# Altium PCB PCB_v2.PcbDoc (part 8 of 8)
Units mil, origin at the board's own origin, x right, y up, seen from the top; angles counter-clockwise.
Board outline 17000 x 5250 mil, 4 copper layers (Top Side, Ground Layer, Power Layer, Bottom Side), stack 33.2 mil thick; 671 components, 580 nets, 2819 pads, 990 vias.
Unrouted connection lines stored in the file: 104.
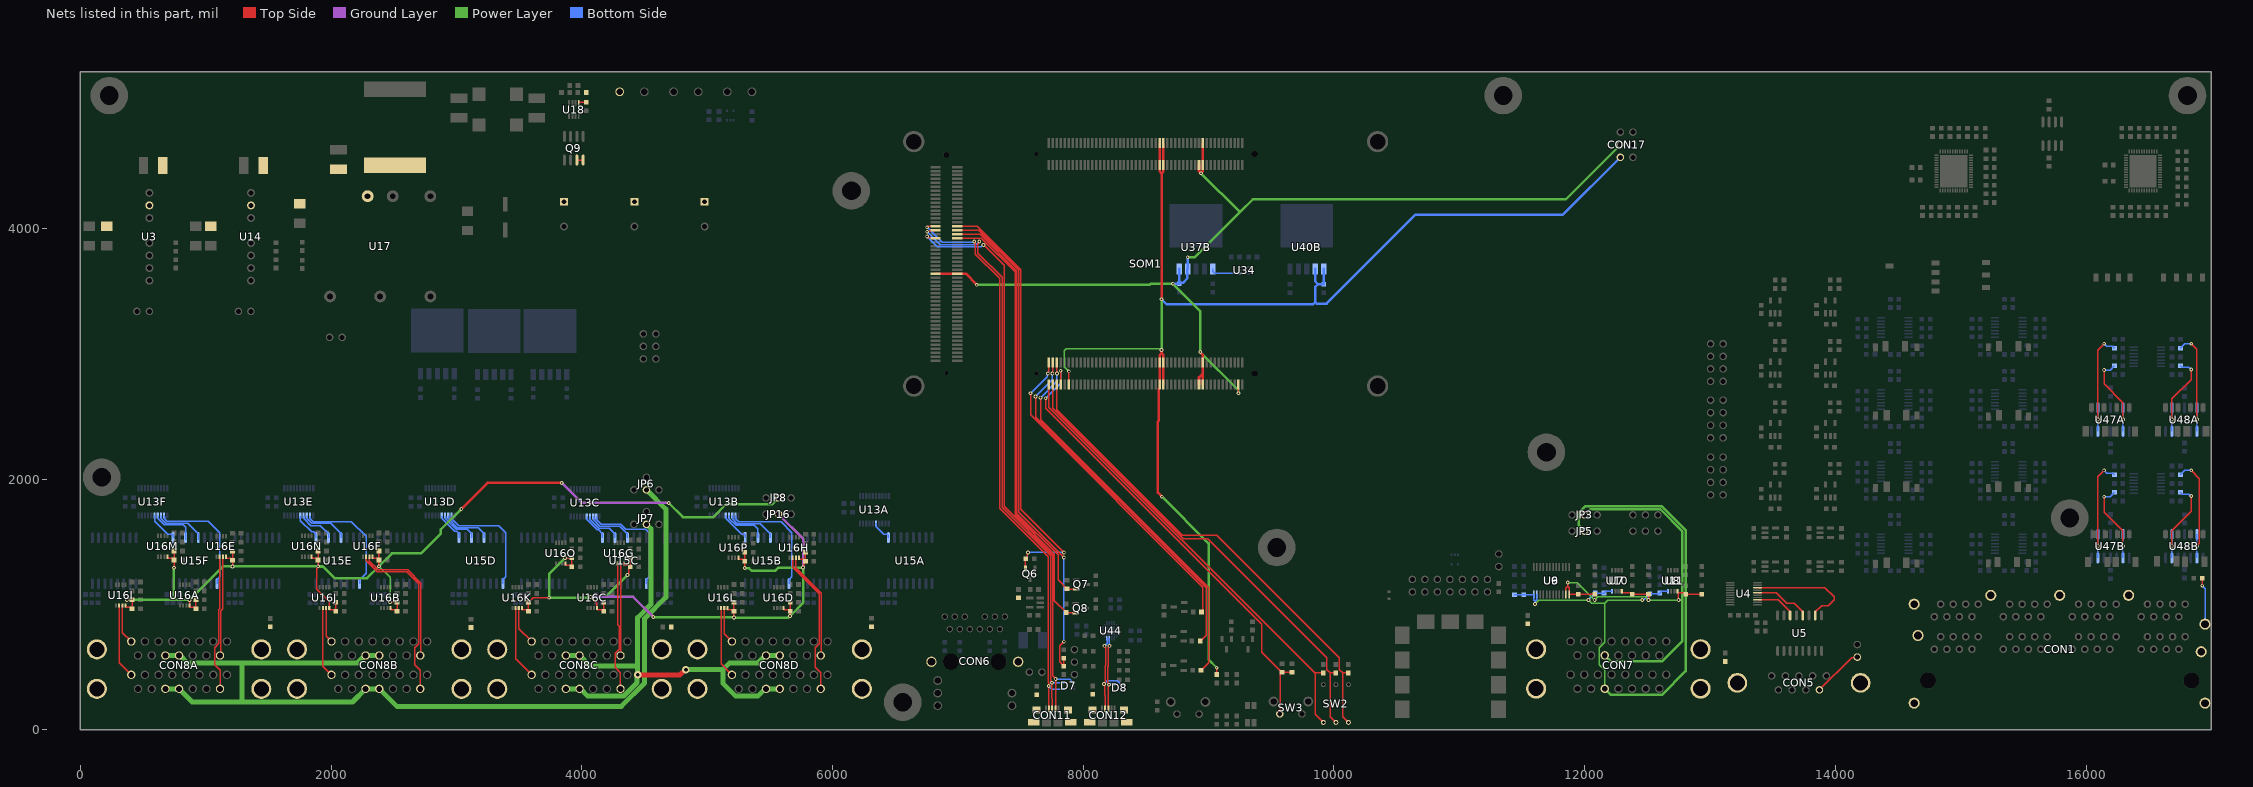
[diagram p10: the nets of this part, all layers, seen from the top]

## Via types
v1: diameter 30, hole 15, Top Side to Bottom Side, 922 vias
v2: diameter 25, hole 15, Top Side to Bottom Side, 30 vias
v3: diameter 60, hole 30, Top Side to Bottom Side, 29 vias
v4: diameter 50, hole 28, Top Side to Bottom Side, 7 vias
v5: diameter 40, hole 20, Top Side to Bottom Side, 2 vias

## Nets (pads, with @x,y where several pads share a name; then routed paths per layer and width w, separated by ;. In a path a pad name is that pad's centre, name@x,y a point inside that pad or via, vN(x,y) a via of type N, cw(c..) or ccw(c..) an arc to the next point about the centre after c; other vN are vias at no path point) (continued)
NetU13A_15: U13A.15 U15A.1 | length 170.6
  Bottom Side w10: U13A.15@6346.2,1646.5 6350.05,1642.64 6350.05,1620.12 6410.05,1560.12 6438.69,1560.12 6444.98,1553.83 U15A.1@6444.98,1533.62
NetU13B_12: U13B.12 U15B.9 | length 935
  Bottom Side w10: U13B.12@5224.75,1708.35 5228.61,1704.49 5228.61,1683.22 5251.24,1660.58 5588.83,1660.58 5675.26,1574.15 5675.26,1220 5653.45,1198.19 U15B.9@5653.45,1166.69
NetU13B_13: U13B.13 U15B.5 | length 407.6
  Bottom Side w10: U13B.13@5199.16,1708.35 5203.02,1704.49 5203.02,1683.22 5240.65,1645.58 5422.98,1645.58 5503.45,1565.12 U15B.5@5503.45,1533.62
NetU13B_14: U13B.14 U15B.3 | length 356
  Bottom Side w10: U13B.14@5173.57,1708.35 5177.42,1704.49 5177.42,1683.22 5230.06,1630.58 5377,1630.58 5403.45,1604.14 U15B.3@5403.45,1533.62
NetU13B_15: U13B.15 U15B.1 | length 252.1
  Bottom Side w10: U13B.15@5147.98,1708.35 5151.83,1704.49 5151.83,1683.22 5274.94,1560.12 5297.16,1560.12 5303.45,1553.83 U15B.1@5303.45,1533.62
NetU13C_12: U13C.12 U15C.9 | length 902.1
  Bottom Side w10: U13C.12@4115.67,1701.5 4119.53,1697.64 4119.53,1675.62 4155.15,1640 4310.17,1640 4350.17,1600 4509.81,1600 4535.65,1574.15 4535.65,1220 4513.84,1198.19 U15C.9@4513.84,1166.69
NetU13C_13: U13C.13 U15C.5 | length 374.6
  Bottom Side w10: U13C.13@4090.08,1701.5 4093.94,1697.64 4093.94,1675.62 4144.56,1625 4303.96,1625 4363.84,1565.12 U15C.5@4363.84,1533.62
NetU13C_14: U13C.14 U15C.3 | length 300.2
  Bottom Side w10: U13C.14@4064.49,1701.5 4068.35,1697.64 4068.35,1675.62 4133.97,1610 4218.96,1610 4263.84,1565.12 U15C.3@4263.84,1533.62
NetU13C_15: U13C.15 U15C.1 | length 225.8
  Bottom Side w10: U13C.15@4038.9,1701.5 4042.76,1697.64 4042.76,1675.62 4123.38,1595 4133.96,1595 4163.84,1565.12 U15C.1@4163.84,1533.62
NetU13D_12: U13D.12 U15D.9 | length 911.5
  Bottom Side w10: U13D.12@2959.49,1702.6 2963.35,1698.74 2963.35,1683.22 3017.88,1628.69 3337.65,1628.69 3392.19,1574.15 3392.19,1220 3370.38,1198.19 U15D.9@3370.38,1166.69
NetU13D_13: U13D.13 U15D.5 | length 384
  Bottom Side w10: U13D.13@2933.9,1702.6 2937.76,1698.74 2937.76,1683.22 3007.29,1613.69 3171.81,1613.69 3220.38,1565.12 U15D.5@3220.38,1533.62
NetU13D_14: U13D.14 U15D.3 | length 309.6
  Bottom Side w10: U13D.14@2908.31,1702.6 2912.17,1698.74 2912.17,1683.22 2996.7,1598.69 3086.81,1598.69 3120.38,1565.12 U15D.3@3120.38,1533.62
NetU13D_15: U13D.15 U15D.1 | length 234.7
  Bottom Side w10: U13D.15@2882.72,1702.6 2886.57,1698.74 2886.57,1683.22 2986.11,1583.69 3001.03,1583.69 3020.38,1564.34 U15D.1@3020.38,1533.62
NetU13E_12: U13E.12 U15E.9 | length 921.4
  Bottom Side w10: U13E.12@1830.67,1702.6 1834.53,1698.74 1834.53,1683.22 1856.15,1661.6 2162.07,1661.6 2278.23,1545.44 2278.23,1248.72 2227.7,1198.19 U15E.9@2227.7,1166.69
NetU13E_13: U13E.13 U15E.5 | length 370.6
  Bottom Side w10: U13E.13@1805.08,1702.6 1808.94,1698.74 1808.94,1683.22 1845.56,1646.6 1996.22,1646.6 2078.84,1563.98 U15E.5@2078.84,1533.62
NetU13E_14: U13E.14 U15E.3 | length 296.2
  Bottom Side w10: U13E.14@1779.49,1702.6 1783.35,1698.74 1783.35,1683.22 1836.98,1629.58 1913.24,1629.58 1978.84,1563.98 U15E.3@1978.84,1533.62
NetU13E_15: U13E.15 U15E.1 | length 229
  Bottom Side w10: U13E.15@1753.9,1702.6 1754.74,1701.76 1754.74,1669.49 1844.64,1579.58 1859.55,1579.58 1877.7,1561.43 U15E.1@1877.7,1533.62
NetU13F_12: U13F.12 U15F.9 | length 930.9
  Bottom Side w10: U13F.12@663.58,1709.09 671.3,1701.38 671.3,1683.22 689.52,1665 1020.59,1665 1111.44,1574.15 1111.44,1220 1089.63,1198.19 U15F.9@1089.63,1166.69
NetU13F_13: U13F.13 U15F.5 | length 419.8
  Bottom Side w10: U13F.13@638.84,1708.35 645.71,1701.48 645.71,1683.22 678.93,1650 854.75,1650 940.54,1564.21 U15F.5@940.54,1516.5
NetU13F_14: U13F.14 U15F.3 | length 372.6
  Bottom Side w10: U13F.14@619.16,1708.35 620.12,1707.39 620.12,1683.22 668.34,1635 820.36,1635 839.63,1615.73 839.63,1517.4 U15F.3@840.54,1516.5
NetU13F_15: U13F.15 U15F.1 | length 259
  Bottom Side w10: U13F.15@590.67,1709.09 590.67,1665.6 696.15,1560.12 733.34,1560.12 739.63,1553.83 U15F.1@739.63,1533.62
OUTA: U4.3 U5.14 | length 327.9
  Top Side w10: U4.3@13379.25,1036.02 13544.52,1036.02 13640,940.54 U5.14@13640,912.98
OUTB: U4.6 U5.12 | length 452.3
  Top Side w10: U4.6@13379.25,1095.08 13528.35,1095.08 13613.43,1010 13670.54,1010 13740,940.54 U5.12@13740,912.98
OUTZ: U4.8 U5.10 | length 880.8
  Top Side w10: U4.8@13379.25,1134.45 13915.91,1134.45 13990,1060.36 13990,1039.64 13941.75,991.4 13890.85,991.4 13840,940.54 U5.10@13840,912.98
R\S\T\1: CON8A.8A U16I.7 | length 316.3
  Top Side w10: U16I.7@334.41,992.11 334.41,775.59 CON8A.8A@405,705
R\S\T\2: CON8A.8B U16I.6 | length 592.9
  Top Side w10: U16I.6@308.82,992.11 308.82,535.18 CON8A.8B@405,439
R\S\T\3: CON8B.8A U16J.7 | length 284.9
  Top Side w10: U16J.7@1959.41,972.11 1959.41,747.92 CON8B.8A@2002.33,705
R\S\T\4: CON8B.8B U16J.6 | length 561.5
  Top Side w10: U16J.6@1933.82,972.11 1933.82,507.51 CON8B.8B@2002.33,439
R\S\T\5: CON8C.8A U16K.7 | length 309.8
  Top Side w10: U16K.7@3496.48,972.11 3496.48,808.19 CON8C.8A@3599.67,705
R\S\T\6: CON8C.8B U16K.6 | length 586.4
  Top Side w10: U16K.6@3470.89,972.11 3470.89,567.78 CON8C.8B@3599.67,439
R\S\T\7: CON8D.8A U16L.7 | length 292.3
  Top Side w10: U16L.7@5136.09,972.11 5136.09,765.91 CON8D.8A@5197,705
R\S\T\8: CON8D.8B U16L.6 | length 568.9
  Top Side w10: U16L.6@5110.5,972.11 5110.5,525.5 CON8D.8B@5197,439
RDY1: CON8A.9A U16E.7 | length 796.4
  Top Side w10: CON8A.9A@1113.5,593 1120,599.5 1120,949.36 1136.18,965.54 U16E.7@1136.18,1380
RDY2: CON8A.9B U16E.6 | length 1087.8
  Top Side w10: U16E.6@1110.59,1380 1110.59,965.78 1105,960.19 1105,689.48 1070,654.48 1070,520.2 1113.5,476.7 CON8A.9B@1113.5,327
RDY3: CON8B.9A U16F.7 | length 1098.2
  Top Side w10: U16F.7@2304.41,1382.11 2304.41,1346.77 2374.64,1276.54 2609.27,1276.54 2714.83,1170.97 2714.83,597 CON8B.9A@2710.83,593
RDY4: CON8B.9B U16F.6 | length 1398.4
  Top Side w10: U16F.6@2278.82,1382.11 2280.36,1380.56 2280.36,1349.61 2368.43,1261.54 2603.06,1261.54 2699.83,1164.76 2699.83,686.98 2667.33,654.48 2667.33,520.2 2710.83,476.7 CON8B.9B@2710.83,327
RDY5: CON8C.9A U16G.7 | length 737.3
  Top Side w10: CON8C.9A@4308.17,593 4312.17,597 4312.17,832.6 4309.21,835.56 4309.21,1326.37 U16G.7@4309.94,1327.11
RDY6: CON8C.9B U16G.6 | length 1036.9
  Top Side w10: U16G.6@4284.35,1327.11 4284.35,839.2 4297.17,826.39 4297.17,643.52 4264.67,611.02 4264.67,498.47 4308.17,454.97 CON8C.9B@4308.17,327
RDY7: CON8D.9A U16H.7 | length 864.2
  Top Side w10: U16H.7@5706.94,1371.67 5706.94,1292.91 5909.5,1090.35 5909.5,597 CON8D.9A@5905.5,593
RDY8: CON8D.9B U16H.6 | length 1164.4
  Top Side w10: U16H.6@5681.35,1371.67 5681.35,1297.28 5894.5,1084.14 5894.5,686.98 5862,654.48 5862,498.47 5905.5,454.97 CON8D.9B@5905.5,327
SH_AGND: CON1.SH1 CON1.SH2 CON1.SH3 CON1.SH4 CON1.SH5 CON1.SH6 CON1.SH7 CON1.SH8 CON1.SH9 R1.2 | length 376.6
  Top Side w10: v1(16926.93,1150) R1.2@16926.93,1210
  Bottom Side w10: v1(16926.93,1150) 16950,1126.93 CON1.SH7@16950,843
SH_ENC: CON5.SH1 CON5.SH2 R23.1
SH_ETH: CON6.18 CON6.19 R24.2
SH_GND_INV: CON8A.SH1 CON8A.SH2 CON8A.SH3 CON8A.SH4 CON8B.SH1 CON8B.SH2 CON8B.SH3 CON8B.SH4 CON8C.SH1 CON8C.SH2 CON8C.SH3 CON8C.SH4 CON8D.SH1 CON8D.SH2 CON8D.SH3 CON8D.SH4 R26A.2 R26B.2 R26C.2 R26D.2
SH_GPIO: CON7.SH1 CON7.SH2 CON7.SH3 CON7.SH4 R25.1
SH_USBOTG: CON11.SH1 CON11.SH2 CON11.SH3 CON11.SH4 R46.1
SH_USBUART: CON12.SH1 CON12.SH2 CON12.SH3 CON12.SH4 R53.1
USB_OTG_CPEN: Q6.2 R44.1 SOM1.JX3-70 | length 3468.9
  Top Side w10: SOM1.JX3-70@6994.92,4017.1 7155.9,4017.1 7501.04,3671.96 7501.04,1758.96 v1(7845,1415) ; Q6.2@7539.13,1286.34 7539.13,1356.14 R44.1@7544.76,1361.77 ; R44.1@7541.54,1365 7555.24,1378.7 7555.24,1404.82 7560,1409.59 v1(7560,1415)
  Bottom Side w10: v1(7560,1415) v1(7845,1415)
USB_OTG_ID: CON11.4 D7.1 SOM1.JX3-63 | length 4656.8
  Top Side w10: v1(6755,3935) 6760.41,3935 6767.8,3927.61 6816.69,3927.61 SOM1.JX3-63@6821.69,3922.61 ; v1(7205,3869) 7368,3706 7368,1781.8 7755,1394.8 7755,430 v1(7780,405) 7778.98,403.98 7778.98,168.43 CON11.4@7777.95,167.4
  Bottom Side w10: v1(6755,3935) 6836,3854 7184.59,3854 7199.59,3869 v1(7205,3869) ; v1(7780,405) 7891.02,405 7920.43,375.59 D7.1@7922.4,375.59
USB_OTG_N: CON11.2 D7.4 SOM1.JX3-69 | length 4609.6
  Top Side w10: v1(6755,4010) 6762.1,4017.1 SOM1.JX3-69@6821.69,4017.1 ; v1(7130,3895) 7130,3889.59 7140,3879.59 7140,3793.85 7333,3600.85 7333,1767.3 7720,1380.3 7720,383.03 7723.03,380 7723.03,351.97 v1(7725,350) 7725,347.53 7726.77,345.76 CON11.2@7726.77,167.4
  Bottom Side w10: v1(6755,4010) 6876,3889 7114.14,3889 7116.32,3891.17 7126.17,3891.17 v1(7130,3895) ; v1(7725,350) 7725,344.59 7743.4,326.19 7743.4,324.27 7794.57,324.27 7794.7,324.41 D7.4@7847.6,324.41
USB_OTG_P: CON11.3 D7.5 SOM1.JX3-67 | length 4596.9
  Top Side w10: 6770.14,3980.6 6816.69,3980.6 SOM1.JX3-67@6821.69,3985.6 ; v1(7170,3895) 7170,3889.59 7160,3879.59 7160,3802.14 7353,3609.14 7353,1775.59 7740,1388.59 7740,391.31 7750.46,380.86 v1(7750.46,375.46) 7750.46,253.64 7752.36,251.74 CON11.3@7752.36,167.4
  Bottom Side w10: v1(6755,3973.21) 6859.21,3869 7144,3869 v1(7170,3895) ; v1(7750.46,375.46) 7773.37,375.46 7773.5,375.59 D7.5@7847.6,375.59
USB_UART_D_N: CON12.2 D8.1 U44.5 | length 769.4
  Top Side w10: v1(8170,670) 8170,664.59 8180,654.59 8180,516.74 8175.59,512.33 8175.59,380.86 8165,370.26 v1(8165,365) 8165,359.59 8172.44,352.15 8172.44,276.91 8174.13,275.22 CON12.2@8174.13,167.4
  Bottom Side w10: v1(8165,365) 8190,390 8273.15,390 8302.56,360.59 D8.1@8327.4,360.59 ; v1(8170,670) 8170,671.8 8190.26,692.05 8190.26,728.13 U44.5@8189.41,728.98
USB_UART_D_P: CON12.3 D8.5 U44.4 | length 629.9
  Top Side w10: CON12.3@8199.72,167.4 8199.72,348.12 8206.19,354.59 v1(8206.19,360) 8206.19,365.26 8195.59,375.86 8195.59,504.05 8200,508.45 8200,654.59 8210,664.59 v1(8210,670)
  Bottom Side w10: v1(8206.19,360) 8211.6,360 8221.19,369.59 8241.9,369.59 8247.76,363.73 8247.76,363.46 8250.63,360.59 D8.5@8252.6,360.59 ; U44.4@8209.1,728.98 8208.26,728.13 8208.26,671.74 v1(8210,670)
USB_UART_RXD: Q7.2 R47.1 SOM1.JX3-66 | length 3373.7
  Top Side w10: SOM1.JX3-66@6994.92,3954.1 7176.46,3954.1 7471.04,3659.53 7471.04,1724.07 7800,1395.11 7800,1196.54 R47.1@7870,1126.54 ; R47.1@7870,1131.54 7878.94,1122.6 Q7.2@7943.66,1122.6
USB_UART_TXD: Q8.2 R50.1 SOM1.JX3-64 | length 3534.1
  Top Side w10: SOM1.JX3-64@6994.92,3922.61 7186.75,3922.61 7456.04,3653.32 7456.04,1714.98 7770,1401.01 7770,1031.54 7868.94,932.6 Q8.2@7938.66,932.6
USB_VBUS_OTG: R42.1 R43.1 SOM1.JX3-68 | length 4020.6
  Top Side w10: SOM1.JX3-68@6994.92,3985.6 7166.18,3985.6 7486.04,3665.75 7486.04,1733.96 v1(7845,1375) ; R42.1@7845,571.54 R43.1@7845,508.46 7811.3,542.17 7811.3,669.71 v1(7845,703.42)
  Bottom Side w10: v1(7845,703.42) v1(7845,1375)
USER_BTN1: C52.2 R18.2 SOM1.JX2-8 SW3.1 | length 3763.7
  Top Side w10: v1(7700,2645.36) 7700,2565.01 9424.13,840.87 9424.13,620 R18.2@9585,459.13 ; v1(7820,2865) 7820.57,2864.43 7820.57,2757.34 SOM1.JX2-8@7821.14,2756.77 ; SW3.1@9567.83,127.6 9571.3,131.06 9571.3,445.43 R18.2@9585,459.13 ; C52.2@9665,459.13 R18.2@9585,459.13
  Bottom Side w10: v1(7700,2645.36) 7820,2765.36 v1(7820,2865)
USER_LED_B: R32.2 SOM1.JX2-5 | length 3089
  Top Side w10: v1(7660,2650) 7660,2474.54 9000,1134.54 9000,534.64 8940.36,475 R32.2@8939.8,475 ; v1(7789.65,2843.39) SOM1.JX2-5@7789.65,2930
  Bottom Side w10: v1(7660,2650) 7789.65,2779.65 v1(7789.65,2843.39)
USER_LED_G: R31.2 SOM1.JX2-3 | length 2861.8
  Top Side w10: v1(7620,2660) 7620,2493.33 8980,1133.33 8980,755.14 R31.2@8933.08,708.22 ; v1(7753.65,2843.39) 7755.9,2845.64 7755.9,2927.75 SOM1.JX2-3@7758.15,2930
  Bottom Side w10: v1(7620,2660) 7753.65,2793.65 v1(7753.65,2843.39)
USER_LED_R: R29.2 SOM1.JX2-1 | length 2624.7
  Top Side w10: v1(7580,2685) 7580,2512.12 8955,1137.12 8955,951.89 R29.2@8943.46,940.36 ; v1(7717.65,2843.39) 7717.65,2848.8 7726.65,2857.81 SOM1.JX2-1@7726.65,2930
  Bottom Side w10: v1(7580,2685) 7713.82,2818.82 7713.82,2839.56 v1(7717.65,2843.39)
USER_SW1: R22.2 SOM1.JX2-2 SW2.1 | length 3670.2
  Top Side w10: SOM1.JX2-2@7726.65,2756.77 7726.65,2575.5 9847.16,455 9850,455 ; SW2.1@9915,60 9850,125 9850,455 ; R22.2@9915,454.13 9914.13,455 9850,455
USER_SW2: R21.2 SOM1.JX2-4 SW2.3 | length 3793.5
  Top Side w10: SOM1.JX2-4@7758.15,2756.77 7758.15,2565.22 8798.19,1525.18 8995.18,1525.18 9943.7,576.65 9943.7,481.3 9970,455 ; SW2.3@10015,57.6 SW2.3@10015,60 9970,105 9970,454.13 R21.2@10015,454.13
USER_SW3: R20.2 SOM1.JX2-6 SW2.5 | length 3869.3
  Top Side w10: SOM1.JX2-6@7789.65,2756.77 7789.65,2554.94 8791.26,1553.33 9067.03,1553.33 10043.7,576.65 10043.7,481.3 10070,455 ; SW2.5@10115,57.6 SW2.5@10115,60 10070,105 10070,455 ; R20.2@10115,454.13 10114.13,455 10070,455
V_AA: R57A.1 U47A.2 U47A.13 | length 741.6
  Top Side w10: v1(16145,2870) 16145,2760.36 16295,2610.36 v1(16295,2475.51)
  Bottom Side w10: v1(16145,2870) 16191.54,2870 R57A.1@16226.54,2905 ; U47A.2@16295,2381.02 U47A.13@16295,2570
V_AB: R57B.1 U47B.2 U47B.13 | length 741.6
  Top Side w10: v1(16145,1860) 16145,1737.76 16295,1587.76 v1(16295,1465.51)
  Bottom Side w10: v1(16145,1860) 16191.54,1860 R57B.1@16226.54,1895 ; U47B.2@16295,1371.02 U47B.13@16295,1560
V_BA: R58A.1 U47A.6 U47A.9 | length 910.2
  Top Side w10: v1(16095,2475.51) 16095,3030 v1(16145,3080)
  Bottom Side w10: U47A.6@16095,2381.02 U47A.9@16095,2570 ; v1(16145,3080) 16166.3,3058.7 16212.83,3058.7 R58A.1@16226.54,3045
V_BB: R58B.1 U47B.6 U47B.9 | length 912.3
  Top Side w10: v1(16095,1465.51) 16092.5,1468.01 16092.5,2017.5 v1(16145,2070)
  Bottom Side w10: U47B.6@16095,1371.02 U47B.9@16095,1560 ; v1(16145,2070) 16166.3,2048.7 16212.83,2048.7 R58B.1@16226.54,2035
V_CA: R59A.1 U48A.2 U48A.13 | length 913.1
  Top Side w10: v1(16840,3080) 16885,3035 v1(16885,2475.51)
  Bottom Side w10: R59A.1@16753.46,3045 16788.46,3080 v1(16840,3080) ; U48A.2@16885,2381.02 U48A.13@16885,2570
V_CB: R59B.1 U48B.2 U48B.13 | length 929.7
  Top Side w10: v1(16840,2070) 16905,2005 16905,1487.94 16885,1467.94 v1(16885,1465.51)
  Bottom Side w10: R59B.1@16753.46,2035 16788.46,2070 v1(16840,2070) ; U48B.2@16885,1371.02 U48B.13@16885,1560
V_DA: R60A.1 U48A.6 U48A.9 | length 751.6
  Top Side w10: v1(16685,2475.51) 16685,2639.4 16840,2794.4 v1(16840,2875)
  Bottom Side w10: U48A.6@16685,2381.02 U48A.9@16685,2570 ; R60A.1@16753.46,2905 16767.17,2891.3 16818.29,2891.3 16834.59,2875 v1(16840,2875)
V_DB: R60B.1 U48B.6 U48B.9 | length 751.6
  Top Side w10: v1(16685,1465.51) 16685,1587.76 16840,1742.76 v1(16840,1865)
  Bottom Side w10: U48B.6@16685,1371.02 U48B.9@16685,1560 ; R60B.1@16753.46,1895 16767.17,1881.3 16818.29,1881.3 16834.59,1865 v1(16840,1865)
VBA: C90A.1 C90B.1 C90E.1 C90F.1 C90I.1 C90J.1 C90M.1 C90N.1 C94A.1 C94B.1 C94E.1 C94F.1 C94I.1 C94J.1 C94M.1 C94N.1 JP8.2 U16A.8 U16B.8 U16E.8 U16F.8 U16I.8 U16J.8 U16M.8 U16N.8 | length 8293.7
  Top Side w10: U16I.8@360,992.11 360,982.87 363.27,979.61 396.93,979.61 C90I.1@411.54,965 C94I.1@411.54,1036.67 v1(370,1036.67) ; U16M.8@695,1382.11 695,1372.87 698.27,1369.61 731.93,1369.61 C90M.1@746.54,1355 ; v1(746.54,1293.46) C90M.1@746.54,1355 ; C94M.1@746.54,1426.67 C90M.1@746.54,1355 ; v1(870,1036.67) 870,982.87 873.27,979.61 906.93,979.61 C90A.1@921.54,965 C94A.1@921.54,1036.67 ; U16E.8@1161.77,1380 1161.77,1370.77 1165.04,1367.5 1198.7,1367.5 C90E.1@1213.31,1352.89 ; v1(1213.31,1303.31) C90E.1@1213.31,1352.89 ; C94E.1@1213.31,1424.56 C90E.1@1213.31,1352.89 ; U16N.8@1843.88,1382.11 1843.88,1372.87 1848.06,1368.7 1881.72,1368.7 C90N.1@1895.42,1355 ; C94N.1@1895.42,1426.67 C90N.1@1895.42,1355 ; C94J.1@2036.54,1016.67 C90J.1@2036.54,945 2021.93,959.61 1988.27,959.61 1985,962.87 1985,1021.19 1883.23,1122.96 1883.23,1286.62 1896.2,1299.59 1896.2,1354.22 C90N.1@1895.42,1355 ; U16F.8@2330,1382.11 2330,1372.87 2333.27,1369.61 2366.93,1369.61 C90F.1@2381.54,1355 ; v1(2381.54,1305) C90F.1@2381.54,1355 ; C94F.1@2381.54,1426.67 C90F.1@2381.54,1355 ; v1(2470,1020) 2522.44,1020 C94B.1@2525.77,1016.67 C90B.1@2525.77,945 2511.17,959.61 2477.5,959.61 2474.24,962.87 U16B.8@2474.24,972.11
  Top Side w20: v1(3038.31,1762.6) 3245.71,1970 v1(3840,1970)
  Ground Layer w20: v1(3840,1970) 4000,1810 v1(4693.45,1810)
  Power Layer w10: v1(2381.54,1305) 2470,1216.54 v1(2470,1020)
  Power Layer w20: v1(370,1036.67) 745,1036.67 ; v1(746.54,1293.46) 745,1291.93 745,1036.67 ; v1(3038.31,1762.6) 2876.06,1600.36 2876.06,1567.93 2715.73,1407.6 2484.13,1407.6 v1(2381.54,1305) 2286.54,1210 2027.57,1210 1934.49,1303.09 1898.11,1303.09 v1(1896.2,1305) 1895.35,1304.15 1214.15,1304.15 1213.31,1305 1211.61,1303.31 1136.64,1303.31 v1(870,1036.67) 745,1036.67 ; v1(4693.45,1810) 4805.85,1697.6 5048.97,1697.6 5151.38,1800 5519.83,1800 JP8.2@5569.83,1850
VBC: C90C.1 C90D.1 C90G.1 C90H.1 C90K.1 C90L.1 C90O.1 C90P.1 C94C.1 C94D.1 C94G.1 C94H.1 C94K.1 C94L.1 C94O.1 C94P.1 JP16.2 U16C.8 U16D.8 U16G.8 U16H.8 U16K.8 U16L.8 U16O.8 U16P.8 | length 5884.4
  Top Side w10: U16K.8@3522.07,972.11 3522.07,962.87 3525.34,959.61 3559,959.61 C90K.1@3573.61,945 C94K.1@3573.61,1016.67 3610.25,1053.31 v1(3739.09,1053.31) ; U16O.8@3869.02,1327.11 3869.02,1317.87 3872.28,1314.61 3905.94,1314.61 C90O.1@3920.55,1300 C94O.1@3920.55,1371.67 3918.88,1370 v1@3877.75,1370 ; v1(4068.5,1060) 4118.88,1009.62 4118.88,975.37 U16C.8@4122.15,972.11 4122.15,962.87 4125.42,959.61 4159.08,959.61 C90C.1@4173.69,945 C94C.1@4173.69,1016.67 ; U16G.8@4335.54,1327.11 4335.54,1317.87 4338.8,1314.61 4372.46,1314.61 C90G.1@4387.07,1300 ; v1(4365,1235) 4365,1240.41 4373.37,1248.78 4373.37,1286.3 C90G.1@4387.07,1300 ; C94G.1@4387.07,1371.67 C90G.1@4387.07,1300 ; U16L.8@5161.68,972.11 5161.68,962.87 5164.94,959.61 5198.61,959.61 C90L.1@5213.21,945 ; v1(5213.21,895.69) C90L.1@5213.21,945 ; C94L.1@5213.21,1016.67 C90L.1@5213.21,945 ; U16P.8@5248.18,1371.67 5248.18,1362.43 5251.45,1359.17 5285.11,1359.17 C90P.1@5299.72,1344.56 ; v1(5299.72,1290.87) C90P.1@5299.72,1344.56 ; C94P.1@5299.72,1416.23 C90P.1@5299.72,1344.56 ; U16D.8@5610,972.11 5610,962.87 5613.27,959.61 5646.93,959.61 C90D.1@5661.54,945 ; v1(5661.54,908.46) C90D.1@5661.54,945 ; C94D.1@5661.54,1016.67 C90D.1@5661.54,945 ; U16H.8@5732.54,1371.67 5732.54,1362.43 5735.8,1359.17 5769.46,1359.17 C90H.1@5784.07,1344.56 ; v1(5765,1295) 5765,1300.41 5770.37,1305.78 5770.37,1330.86 C90H.1@5784.07,1344.56 ; C94H.1@5784.07,1416.23 C90H.1@5784.07,1344.56
  Ground Layer w20: v1(4068.5,1060) 4410,1060 v1(4570,900) ; JP16.2@5570,1720 5765,1525 v1(5765,1295)
  Power Layer w20: v1(3865.54,1370) 3739.09,1243.56 v1(3739.09,1053.31) 4059.1,1053.31 4065.8,1060 4190,1060 v1(4365,1235) ; v1(4570,900) 5206.2,900 5212.07,894.13 5212.07,892.07 5215.69,895.69 5646.06,895.69 5660.36,910 5663.07,910 5765,1011.93 v1(5765,1295) 5569.73,1295 5544.73,1270 5353.57,1270 5334.61,1288.96 5301.63,1288.96 v1(5299.72,1290.87)
VCCIO_EN: U34.4 U37B.1 | length 237.9
  Bottom Side w10: U37B.1@9034.02,3676.54 9034.02,3656.94 9050.02,3640.94 U34.4@9245.71,3640.94
VCCO: C158B.1 CON17.3 SOM1.JX1-78 SOM1.JX1-79 SOM1.JX1-80 SOM1.JX2-78 SOM1.JX2-79 SOM1.JX2-80 SOM1.JX2-98 SOM1.JX3-45 SOM1.JX3-46 U37B.4 U37B.5 | length 8467.1
  Top Side w10: v1(9238.46,2685) SOM1.JX2-98@9238.46,2756.77
  Top Side w20: SOM1.JX3-45@6821.69,3639.15 6964.92,3639.15 SOM1.JX3-46@6994.92,3639.14 7064.14,3639.14 7150,3553.29 v1(7150,3550.35) ; SOM1.JX2-78@8923.5,2756.77 8923.5,2811.89 8955,2843.39 ; SOM1.JX1-78@8923.5,4506.77 8923.5,4456.77 v1@8940,4440.27 ; v1(8933.11,3015) 8933.11,3012.29 8955,2990.4 SOM1.JX2-79@8955,2930 8955,2843.39 ; v1(8940,4440) v1@8940,4440.27 ; SOM1.JX2-80@8955,2756.77 8955,2843.39 ; SOM1.JX1-79@8955,4680 8955,4536.77 SOM1.JX1-80@8955,4506.77 8955,4456.77 8940,4441.77 v1@8940,4440.27
  Power Layer w20: v1(7150,3550.35) 8529.27,3550.35 8537.39,3558.46 v1(8715,3558.46) 8933.11,3340.35 v1(8933.11,3015) 9236.55,2711.56 9236.55,2686.91 v1(9238.46,2685) ; v1(8833.02,3770.67) 8890.91,3770.67 9214.1,4093.85 9250.12,4129.88 ; v1(8940,4440) 9250.12,4129.88 ; CON17.3@12285,4667.77 11850.39,4233.16 9353.4,4233.16 9250.12,4129.88
  Bottom Side w20: v1(8715,3558.46) C158B.1@8766.02,3558.46 ; U37B.5@8766.02,3676.54 C158B.1@8766.02,3558.46 ; v1(8833.02,3770.67) U37B.4@8833.02,3676.54 8829.89,3673.4 8829.89,3601.54 8794.72,3566.37 8773.93,3566.37 C158B.1@8766.02,3558.46
VENCODER: CON5.6 JP1.2 | length 409.5
  Top Side w10: CON5.6@13873.58,319.09 14130,575.51 14170.51,575.51 JP1.2@14175,580
VGPIOA: C61.1 C63.1 C65.1 C67.1 C69.1 C71.1 CON7.13A JP3.2 U6.23 U6.24 U7.8 U8.8 | length 4365.9
  Top Side w10: U6.23@11850.16,1079.76 11850.16,1130.16 11865,1145 ; v1(11865,1175) 11865,1145 ; U6.24@11875.75,1079.76 U6.24@11875.75,1080.63 ; C63.1@12080,1081.54 C61.1@11950,1081.54 11876.65,1081.54 U6.24@11875.75,1080.63 ; U7.8@12295.98,1107.12 12295.98,1097.88 12299.25,1094.62 12366.92,1094.62 C67.1@12380,1081.54 C65.1@12510,1081.54 v1(12510,1035) ; U8.8@12741.77,1097.88 U8.8@12741.77,1107.12 ; v1(12750,1035) 12745.04,1039.96 12745.04,1094.62 12792.51,1094.62 C69.1@12805.59,1081.54 C71.1@12935,1081.54 ; 11865,1145 11875.75,1134.25 U6.24@11875.75,1080.63
  Power Layer w10: v1(11865,1175) 11940,1175 v1(12080,1035) 12105,1060 12485,1060 v1(12510,1035) v1(12750,1035) 12780,1035
  Power Layer w20: JP3.2@12000,1715 12045,1760 12603.64,1760 12780,1583.64 12780,1035 12780,708.91 12616.59,545.5 12209,545.5 CON7.13A@12160.5,594
VGPIOB: C73.1 C75.1 C77.1 C79.1 C81.1 C83.1 CON7.13B JP5.2 U9.23 U9.24 U10.8 U11.8 | length 5346.9
  Power Layer w10: v1(11605,1004.25) 11635.75,1035 v1(12030,1035) 12056,1009 12160,1009 12186,1035 v1(12460,1035) ; CON7.13B@12160,328.5 12160.5,329 12160.5,477.7 12117,521.2 12117,655.48 12160.5,698.98 12160.5,1008.5
  Power Layer w20: JP5.2@12000,1585 11955,1630 11955,1733.64 12006.36,1785 12613.99,1785 12805,1593.99 12805,467.91 12616.59,279.5 12209,279.5 CON7.13B@12160,328.5
  Bottom Side w10: C75.1@11438.46,1075 C75.1@11440,1076.54 C73.1@11515,1076.54 11517.32,1078.86 11593.35,1078.86 U9.24@11594.25,1079.76 11595.16,1078.86 11595.16,1034.84 11605,1025 ; v1(11605,1004.25) 11605,1025 ; U9.23@11619.84,1079.76 11618.94,1078.86 11618.94,1038.94 11605,1025 ; v1(12030,1035) 12030,1036.54 C79.1@12085,1091.54 C77.1@12155,1091.54 12168.7,1105.24 12218.13,1105.24 U10.8@12220,1107.11 ; v1(12460,1035) 12463.83,1038.83 12472.29,1038.83 C81.1@12520,1086.54 12595,1086.54 12613.7,1105.24 12663.13,1105.24 U11.8@12665,1107.11
VIN: C102.1 C103.1 C104.1 CON4.1 Q9.7 Q9.8 R4.2 R5.2 U18.1 | length 113.7
  Top Side w10: Q9.7@3960.67,4545.64 Q9.8@4010.67,4545.64 ; U18.1@3975.23,5000.12 3975.23,5003.07 3978.1,5005.94 R4.2@4034.81,5005.94
VIN2: C87.1 C108.2 C109.1 C111.2 C112.1 C114.2 L1.2 U3.2 U14.2 U17.1
VIN_HDR: C164B.1 CON17.1 R12.2 SOM1.JX1-57 SOM1.JX1-58 SOM1.JX1-59 SOM1.JX1-60 SOM1.JX2-12 SOM1.JX2-57 SOM1.JX2-58 SOM1.JX2-59 SOM1.JX2-60 U40B.1 U40B.2 | length 10642.9
  Top Side w10: SOM1.JX2-12@7884.13,2756.77 7884.57,2757.2 7884.57,2859.57 v1(7885,2860) ; R12.2@9065,441.06 v1(9065,495)
  Top Side w20: SOM1.JX1-57@8608.54,4680 8608.54,4650 SOM1.JX1-58@8608.54,4506.77 8608.54,4456.2 8625,4439.74 ; v1(8625,3030) 8625,3005 ; v1(8625,3435) 8625,4439.74 ; v1(8627.05,1860) 8595,1892.05 8595,2457.43 8602.05,2464.47 8602.05,2720.28 8608.54,2726.77 SOM1.JX2-58@8608.54,2756.77 8608.54,2900 SOM1.JX2-57@8608.54,2930 8608.54,2988.54 8625,3005 ; SOM1.JX2-60@8640.04,2756.77 8640.04,2989.96 8625,3005 ; SOM1.JX1-59@8640.04,4680 8640.04,4536.77 SOM1.JX1-60@8640.04,4506.77 8640.04,4454.78 8625,4439.74
  Power Layer w10: v1(7885,2860) 7850,2895 7850,3025.36 7864.64,3040 8609.59,3040 8619.59,3030 v1(8625,3030)
  Power Layer w20: v1(8625,3030) v1(8625,3435) ; v1(8627.05,1860) 9000,1487.05 9000,560 v1(9065,495)
  Bottom Side w20: v1(8625,3435) 8665,3395 9833,3395 9850.88,3412.88 ; U40B.2@9850.88,3676.54 9850.88,3577.13 9873.01,3555 ; U40B.1@9917.88,3676.54 C164B.1@9917.88,3555 9873.01,3555 ; CON17.1@12285,4567.77 11827.23,4110 10650,4110 9941.17,3401.17 9862.6,3401.17 9850.88,3412.88 ; 9850.88,3412.88 9850.88,3532.87 9873.01,3555
VSUPPLYA: CON8A.12A CON8A.12B CON8A.13A CON8A.13B CON8B.12A CON8B.12B CON8B.13A CON8B.13B JP6.2 | length 7792.9
  Power Layer w40: CON8A.13B@677.5,327 CON8A.12B@786.5,327 891.5,222 1290,222 ; CON8A.13A@677.5,593 793.81,593 852.31,534.5 1300,534.5 ; CON8B.12A@2383.83,593 2267.53,593 2209.03,534.5 1300,534.5 ; JP6.2@4515,1914.99 4670,1759.99 4670,1056.57 4500,886.57 4500,372.46 4314.57,187.03 2523.8,187.03 CON8B.12B@2383.83,327 CON8B.13B@2274.83,327 2169.83,222 1290,222 ; 1290,222 1290,524.5 1300,534.5
VSUPPLYB: CON8C.12A CON8C.12B CON8C.13A CON8C.13B CON8D.12A CON8D.12B CON8D.13A CON8D.13B JP7.2 | length 4395.4
  Top Side w40: v3(4445,439) 4783.73,439 4824.73,480 v3(4830.14,480)
  Power Layer w40: CON8C.13B@3872.17,327 3988.47,327 4046.97,268.5 4332.4,268.5 4441.17,377.28 4441.17,435.17 v3(4445,439) 4445,510.51 ; CON8C.13A@3872.17,593 CON8C.12A@3981.17,593 4063.65,510.51 4445,510.51 ; JP7.2@4515,1640 4515,1639.33 4550,1604.33 4550,1000.21 4445,895.21 4445,510.51 ; v3(4830.14,480) 5115,480 5125,470 5125,370.77 5227.27,268.5 5403.69,268.5 5462.19,327 CON8D.12B@5578.5,327 ; 5120,475 5179.5,534.5 5403.69,534.5 5462.19,593 CON8D.12A@5578.5,593
pads on no net: CON1. CON6. CON6.15 CON9.5 CON9.6 CON9.7 CON10.12 CON11.SH CON12.4 CON12.SH D1.1 D1.3 D1.5 D8.4 SOM1.0 SOM1.JX1-5 SOM1.JX1-7 SOM1.JX1-91 SOM1.JX1-93 SOM1.JX1-94 SOM1.JX2-7 SOM1.JX2-9 SOM1.JX3-1 SOM1.JX3-2 SOM1.JX3-3 SOM1.JX3-4 SOM1.JX3-5 SOM1.JX3-7 SOM1.JX3-8 SOM1.JX3-9 SOM1.JX3-10 SOM1.JX3-11 SOM1.JX3-13 SOM1.JX3-14 SOM1.JX3-15 SOM1.JX3-16 SOM1.JX3-19 SOM1.JX3-20 SOM1.JX3-21 SOM1.JX3-22 SOM1.JX3-25 SOM1.JX3-26 SOM1.JX3-27 SOM1.JX3-28 SOM1.JX3-30 SOM1.JX3-31 SOM1.JX3-32 SOM1.JX3-33 SOM1.JX3-34 SOM1.JX3-36 SOM1.JX3-37 SOM1.JX3-38 SOM1.JX3-39 SOM1.JX3-40 U1.42 U2.42 U3.3 U3.8 U4.5 U4.16 U5.8 U14.3 U14.8 U18.6 U38A.4 U38B.4 U38C.4 U38D.4 U43.3 U44.1 U44.2 U44.10 U44.11 U44.13 U44.15 U44.16 U45.1 U45.5 U45.7 U45.8 U47A.1 U47A.7 U47B.1 U47B.7 U48A.1 U48A.7 U48B.1 U48B.7

## Polygon pours and split planes (outlines as drawn)
VIN2 on Top Side "Top Side-VIN2" (solid, pour order 91): 2850,5250 0,5250 0,3935 2850,3935
NetC107_2 on Top Side "NETC107_2_L01_P087" (solid, pour order 87): 2920,5234.71 3310,5234.71 3310,4809.53 3310,4585 2837.21,4585 2837.21,4870 2210,4870 2210,5234.71
SH_ETH on Top Side "SH_ETH_POUR" (solid, pour order 8): 7435.14,1010 7435.34,1095 7535,1095 7535,0 6725,0 6725,1010
SH_AGND on Top Side "SH_AGND_POUR" (solid, pour order 13): 16910,1132.53 16910,1150 16985,1150 16985,0 14390,0 14390,1132.53
SH_GND_INV on Top Side "SH_GND_INV_POUR" (solid, pour order 23): 3075,775 3075,855 3155,855 3155,5 1615,5 1615,775
SH_USBOTG on Top Side "SH_USBOTG_POUR" (solid, pour order 9): 7535,0 7535,313.03 7975,313.03 7975,0
SH_GND_INV on Top Side "SH_GND_INV_POUR" (solid, pour order 15): 1475,860 1475,775 15,775 15,5 1555,5 1555,860
VIN on Top Side "SH_GND_INV_POUR" (solid, pour order 79): 3730,4080 3730,4486.86 3936.54,4486.86 3936.54,5249.99 4400,5249.99 4400,4372.36 5205.57,4372.36 5205.57,4080
SH_GPIO on Top Side "VIN_POUR" (solid, pour order 29): 13040,0 11500,0 11500,880 11595,880 11595,775 13040,775
SH_GND_INV on Top Side "SH_GND_INV_POUR" (solid, pour order 27): 6350,857.07 6270,857.07 6270,775 4805,775 4805,5 6350,5
SH_GND_INV on Top Side "SH_GND_INV_POUR" (solid, pour order 25): 4750,860 4670,860 4670,775 3210,775 3210,5 4750,5
NetC101_1 on Top Side "NETC101_1_L01_P002" (solid, pour order 2): 3716.91,4080.09 3716.91,4426.55 3933.74,4426.55 3933.74,5250 3325.17,5250 3325.17,4080.09
SH_USBUART on Top Side "SH_USBOTG_POUR" (solid, pour order 11): 7985,0 7985,313.03 8410,313.03 8410,0
SH_ENC on Top Side "SH_ENC_POUR" (solid, pour order 6): 13212.07,495 13168.53,538.54 13168.53,580 13065,580 13065,0 14320,0 14320,495
NetC101_1 on Top Side "VIN_POUR" (solid, pour order 4): 13070,21.73
no net on Top Side "Component Side-No Net" (solid, pour order 0): 0,4750
-16V on Power Layer "-16V_POUR" (solid, pour order 59): 1560,4900 4975.72,4900 4975.72,5050 10798.91,5050 11142.1,4710 11519.09,4710 11859.09,5050 13725,5050 13724.98,1732.6 13529.75,1732.6 13529.75,4900 11920,4900 11585.62,4565.62 11080.72,4565.62 10748.39,4900 5140.31,4900 5140.31,4757.8 1722.2,4757.8 1720,4760 1720,3275.91 1310,3275.91 1310,3434.95 1560,3435.17
+16V on Power Layer "+16V_POUR" (solid, pour order 57): 740,5041.53 3854.57,5041.53 3854.57,5225 10926.43,5225 11258.69,4890 11436.09,4890 11771.09,5225 13950,5225 13950,5075 13950,1731.39 13750,1731.39 13750,5075 11840,5075 11498.07,4733.07 11163.06,4733.07 10821.13,5075 4957.27,5075 4957.27,4897.89 895.5,4900.22 895.5,3283 500,3283 500,3430.06 740,3429.92
5.5V on Power Layer "Power Layer-5.5V" (solid, pour order 81): 13505,3450.49 13505,1690 13906,1690 13906,1250 13267.61,1250 13267.61,3448.1 13270,3450.49 8860.51,3450.49 8713.55,3597.45 6345.76,3597.45 5353.31,2605 2740,2605 2740,2800 5227.78,2800 6195.67,3767.89 13505,3767.89
2.5VREF on Power Layer "2V5_REF" (solid, pour order 77): 14910,4280 14910,4160 15161.41,4160 15161.41,4105 16798.46,4105 16798.46,4710 16550,4710 16550,4640 16620,4640 16620,4270 15890,4270 15890,4600.17 15563.82,4599.87 15563.82,4225 15268.46,4225 15268.46,4715 15050,4715 15050,4635 15105,4635 15105,4280
GND_IN2 on Bottom Side "Bottom Side-GND_IN2" (solid, pour order 93): 12.42,4150 3280,4150 3280,5250 0,5250
GND_IN on Bottom Side "Bottom Side-GND_IN" (solid, pour order 85): 4590,4320 5241.25,4320 5239.46,3948.94 3320,3948.94 3320,4752.06 3320,5250 4590,5250 4590,5207.48
no net on Bottom Side "Bottom Side-No Net" (solid, pour order 83): 4545.72,5234.71
GND on Ground Layer "GND_POWER" (solid, pour order 31): 0,5250 0,0 17000,0 17000,5250

## Other copper
Top Side:
  text "A" at 11130.67,3713.71 h140
  text "M" at 11130.67,3517.05 h140
  text "D" at 11134,3320.38 h140
  text "C" at 11134,3123.71 h140

## Silkscreen, mask and mechanical layers (free items; w line width, h text height)
Top Overlay:
  lines w10: 4635,2959.17 4660,2959.17 4660,3059.17 ; 4635,3059.17 4660,3059.17 ; 4635,3159.17 4660,3159.17 4660,3059.17 ; 5394.83,1745 5394.83,1720 5424.83,1720 ; 5394.83,1825 5394.83,1850 5424.83,1850 ; 5714.83,1720 5744.83,1720 5744.83,1745 ; 5714.83,1850 5744.83,1850 5744.83,1825 ; 10625,1245 10625,1270 10725,1270 ; 10725,1245 10725,1270 ; 10825,1245 10825,1270 ; 11025,1245 11025,1270 ; 11125,1245 11125,1270 ; 11225,1245 11225,1270 11125,1270 ; 11825,1610 11825,1585 11855,1585 ; 11825,1690 11825,1715 11855,1715 ; 11875,1650 12000,1650 12125,1650 ; 12145,1585 12175,1585 12175,1610 ; 12145,1715 12175,1715 12175,1690 ; 12310,1610 12310,1585 12340,1585 ; 12310,1690 12310,1715 12340,1715 ; 12360,1650 12485,1650 12610,1650 ; 12430,4567.77 12455,4567.77 12455,4667.77 ; 12430,4667.77 12455,4667.77 ; 12430,4767.77 12455,4767.77 12455,4667.77 ; 12630,1585 12660,1585 12660,1610 ; 12630,1715 12660,1715 12660,1690 ; 12960,1875 12935,1875 12935,1975 ; 12960,1975 12935,1975 ; 12960,2075 12935,2075 ; 12960,2175 12935,2175 12935,2075 ; 13150,2330 13175,2330 13175,2430 ; 13150,2430 13175,2430 ; 13150,2530 13175,2530 ; 13150,2630 13175,2630 13175,2530 ; 13150,2780 13175,2780 13175,2880 ; 13150,2880 13175,2880 ; 13150,2980 13175,2980 ; 13150,3080 13175,3080 13175,2980 ; 10725,1270 10825,1270 ; 10825,1270 10925,1270 ; 10925,1270 10925,1245 10925,1270 ; 10925,1270 11025,1270 ; 11025,1270 11125,1270 ; 12935,1975 12935,2075 ; 13175,2430 13175,2530 ; 13175,2880 13175,2980 ; 3940,2919.17 3965,2894.17 5090,2894.17 5115,2919.17 5115,3520.71 5090,3545.71 3966.54,3545.71 3940,3519.17 3940,2919.17 ; 4175,1600 4180,1595 4515,1595 4970,1595 4975,1600 4975,2295 4970,2300 4180,2300 4175,2295 4175,1600 ; 5325,1680 5330,1675 5575,1675 6170,1675 6175,1680 6175,2145 6170,2150 5330,2150 5325,2145 5325,1680 ; 11750,1500 11775,1475 12000,1475 12700,1475 12725,1500 12725,1900 12700,1925 11775,1925 11750,1900 11750,1500 ; 12008.31,4507.77 12008.31,4832.77 12033.31,4857.77 13385,4857.77 13410,4832.77 13410,4507.77 13385,4482.77 12033.31,4482.77 12008.31,4507.77
  lines w50: 12080,2595 12175,2595 12305,2725 12305,3875 ; 12091.29,2595 11175,2595 11050,2720 11050,2745 11050,3880 11176.39,4006.39 12173.61,4006.39 ; 12178.61,4006.39 12305,3880
  text "V+" at 4251.59,4855 h45
  text "V-" at 4448.44,4855 h45
  text "V-" at 4681.59,4855 h45
  text "V+" at 4878.44,4855 h45
  text "2V5REF" at 12048.26,4732.78 h30
  text "GND" at 12465,4719.07 h30 r270
  text "VIN" at 4211.3,4690 h40
  text "VDRIVE" at 4603.82,4690 h40
  text "ESTOP" at 4957.27,4690 h40
  text "VCCO" at 12048.26,4632.78 h30
  text "VOLTAGE / TEST POINTS" at 12555,4549.81 h75
  text "VINHDR" at 12035,4532.78 h30
  text "GENERAL VOLTAGE / TEST POINTS" at 3950,3264.17 h75
  text "+16V" at 280,3188.53 h40
  text "-16V" at 1060,3188.53 h40
  text "dvanced / otor / rive / ontroller" at 11294,3128.71 h110
  text "5V" at 4290,3124.18 h30
  text "GND" at 4680,3108.05 h30 r270
  text "GND" at 13140,3094.17 h30
  text "D-" at 12890,3045 h30
  text "3V3" at 4290,3024.18 h30
  text "5V5" at 1797.7,2990 h40
  text "D+" at 12890,2945 h30
  text "1V8" at 4290,2924.18 h30
  text "C-" at 12890,2845 h30
  text "Severson Group" at 11170,2770 h200
  text "C+" at 12890,2745 h30
  text "REV20180717B" at 11180,2660 h50
  text "GND" at 13140,2644.17 h30
  text "B-" at 12890,2595 h30
  text "15V" at 12865,2550 h75 r90
  text "+" at 12801.51,2525 h40 r90
  text "-" at 12841.51,2525.15 h40 r90
  text "DRIVE" at 4940,2497.79 h75
  text "B+" at 12890,2495 h30
  text "A-" at 12890,2395 h30
  text "CONTROL" at 4875,2369.33 h75
  text "A+" at 12890,2295 h30
  text "SUPPLY" at 4363.38,2220 h50
  text "GND" at 12870,2190 h30
  text "A" at 13140,2145 h30
  text "VOLTAGE" at 4338.39,2140 h50
  text "SIGNAL" at 5429.99,2060 h50
  text "3V3" at 4452.52,2044.99 h30
  text "C" at 13140,2045 h30
  text "INV1..4" at 4595,2005 h50
  text "VOLTAGE" at 5405,1970 h50
  text "GPIO" at 12005,1945 h125
  text "B" at 13140,1945 h30
  text "2.5V" at 12865,1890 h75 r90
  text "VDRIVE" at 4185,1880 h30
  text "5V" at 4665,1880 h30
  text "D" at 13140,1845 h30
  text "INV1..4" at 5815,1815.01 h50
  text "VOLTAGE" at 11730.08,1785 h50
  text "DIRECTION" at 12266.73,1785 h50
  text "3V3" at 4452.52,1770 h30
  text "A" at 11978.34,1755 h35
  text "A" at 12463.34,1755 h35
  text "3V3" at 5324.83,1750 h30
  text "5V" at 5684.83,1750 h30
  text "INV5..8" at 4590,1730 h50
  text "INV5..8" at 5815,1685.01 h50
  text "ETHERNET" at 6630.99,1672.5 h125
  text "USB" at 7785,1660 h125
  text "3V3" at 11755,1615 h30
  text "5V" at 12115,1615 h30
  text "1V8" at 12240,1615 h30
  text "0V" at 12600,1615 h30
  text "VDRIVE" at 4185,1605.01 h30
  text "5V" at 4665,1605.01 h30
  text "INVERTERS" at 2685,1547.87 h125
  text "B" at 11978.34,1490 h35
  text "B" at 12463.34,1490 h35
  text "OTG" at 7631.73,1485 h75
  text "UART" at 8043.53,1485 h75
  text "JTAG" at 10674.77,1330 h125
  text "GND" at 10615,1280 h30
  text "ANALOG INPUTS" at 14900,1120 h125
  text "3V3" at 10650,910 h30 r90
  text "TMS" at 10750,910 h30 r90
  text "TCK" at 10850,910 h30 r90
  text "TDO" at 10950,910 h30 r90
  text "TDI" at 11050,910 h30 r90
  text "NC" at 11150,910 h30 r90
  text "RST" at 11250,910 h30 r90
  text "INVERTERS 1..2" at 130,778 h50
  text "INVERTERS 3..4" at 1727.33,778 h50
  text "INVERTERS 5..6" at 3324.67,778 h50
  text "INVERTERS 7..8" at 4922,778 h50
  text "BTN1" at 9473.14,277.38 h70
  text "RESET" at 8653.06,274.78 h70
Top Solder:
  text "A" at 11125.64,3578.71 h140
  text "M" at 11125.64,3382.05 h140
  text "D" at 11128.97,3185.38 h140
  text "C" at 11128.97,2988.71 h140
Mechanical 1:
  the board outline again, w1

## Text inside footprints (layer, text, board x,y; h text height)
SOM1: Top Overlay "JX3" at 6981.81,2784.89 h40 r180; Top Overlay "100" at 7096.81,4477.89 h40 r90; Top Overlay "99" at 6761.81,4480.89 h40 r90; Top Overlay "2" at 7078.29,2896.89 h40 r90; Top Overlay "1" at 6775.29,2915.89 h40 r90; Top Overlay "25" at 6747.32,3289.47 h30 r90; Top Overlay "26" at 7087.32,3296.47 h30 r90; Top Overlay "51" at 6747.32,3704.47 h30 r90; Top Overlay "75" at 6752.32,4086.47 h30 r90; Top Overlay "76" at 7097.32,4086.47 h30 r90; Top Overlay "50" at 7097.32,3676.47 h30 r90; Top Overlay "50" at 8456.89,4404.38 h30; Top Overlay "76" at 8866.89,4404.38 h30; Top Overlay "75" at 8866.89,4749.38 h30; Top Overlay "51" at 8491.89,4754.38 h30; Top Overlay "26" at 8076.89,4414.38 h30; Top Overlay "25" at 8076.89,4754.38 h30; Top Overlay "1" at 7696.31,4726.4 h40; Top Overlay "2" at 7677.31,4423.4 h40; Top Overlay "99" at 9296.89,4729.38 h40; Top Overlay "100" at 9296.89,4414.38 h40; Top Overlay "100" at 9296.89,2664.38 h40; Top Overlay "99" at 9296.89,2979.38 h40; Top Overlay "2" at 7677.31,2673.4 h40; Top Overlay "1" at 7696.31,2976.4 h40; Top Overlay "25" at 8076.89,3004.38 h30; Top Overlay "26" at 8076.89,2664.38 h30; Top Overlay "51" at 8491.89,3004.38 h30; Top Overlay "75" at 8866.89,2999.38 h30; Top Overlay "76" at 8866.89,2654.38 h30; Top Overlay "50" at 8456.89,2654.38 h30; Top Overlay "JX2" at 7561.31,2762.89 h40 r90; Top Overlay "JX1" at 7565.31,4519.89 h40 r90; Top Overlay "TM" at 8457.81,4143.89 h15 r90
U1: Mechanical 13 "*" at 15065,4318.74 h50 r180
U2: Mechanical 13 "*" at 16575,4318.74 h50 r180